# Altium PCB Intelliclone.PcbDoc (part 2 of 3)
Units mil, origin at the board's own origin, x right, y up, seen from the top; angles counter-clockwise.
Board outline 10500 x 3750 mil, 2 copper layers (Top Layer, Bottom Layer), stack 60.8 mil thick; 177 components, 173 nets, 727 pads, 193 vias.
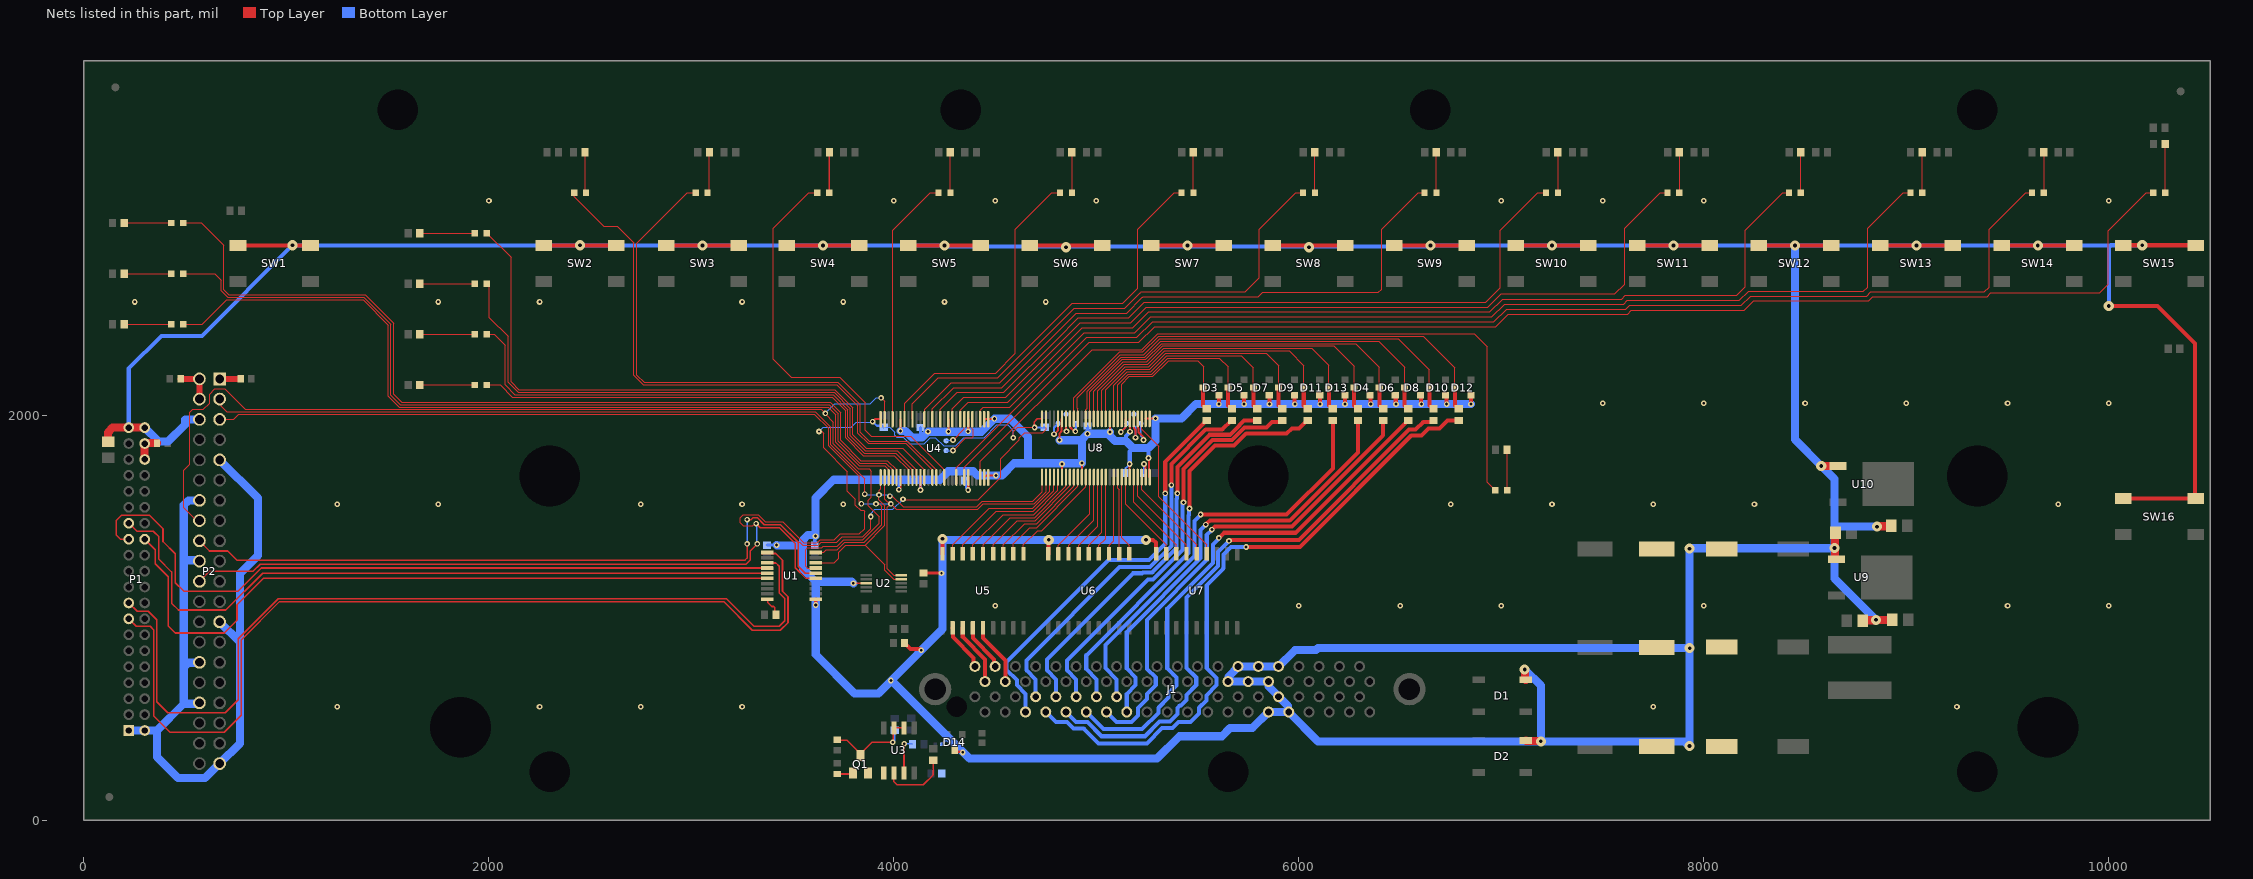
[diagram p2: the nets of this part, all layers, seen from the top]

## Via types
v1: diameter 28, hole 15, Top Layer to Bottom Layer, 98 vias
v2: diameter 28, hole 12, Top Layer to Bottom Layer, tented both sides, 44 vias
v3: diameter 50, hole 18, Top Layer to Bottom Layer, 36 vias
v4: diameter 28, hole 12, Top Layer to Bottom Layer, 15 vias

## Nets (pads, with @x,y where several pads share a name; then routed paths per layer and width w, separated by ;. In a path a pad name is that pad's centre, name@x,y a point inside that pad or via, vN(x,y) a via of type N, cw(c..) or ccw(c..) an arc to the next point about the centre after c; other vN are vias at no path point) (continued)
GND: C1.1 C2.1 C3.1 C4.1 C5.1 C6.1 C7.1 C8.2 C9.2 C10.2 C11.1 C12.1 C13.2 C14.2 C15.2 C16.1 C17.1 C18.1 C19.1 C20.1 D1.2 D2.2 D3.1 D4.1 D5.1 D6.1 D7.1 D8.1 D9.1 D10.1 D11.1 D12.1 D13.1 D14.3 J1.51 J1.53 J1.55 J1.57 J1.59 J1.60 J1.61 J1.62 J1.64 P1.1 P1.2 P1.39 P1.40 P2.6 P2.9 P2.14 P2.20 P2.25 P2.30 P2.34 P2.39 Q1.2 R44.1 SW1.3 SW1.4 SW2.3 SW2.4 SW3.3 SW3.4 SW4.3 SW4.4 SW5.3 SW5.4 SW6.3 SW6.4 SW7.3 SW7.4 SW8.3 SW8.4 SW9.3 SW9.4 SW10.3 SW10.4 SW11.3 SW11.4 SW12.3 SW12.4 SW13.3 SW13.4 SW14.3 SW14.4 SW15.3 SW15.4 SW16.3 SW16.4 U1.11 U2.3 U3.5 U4.6 U4.11 U4.23 U4.27 U4.28 U4.29 U4.30 U4.34 U4.39 U4.51 U5.9 U6.9 U7.9 U8.6 U8.11 U8.23 U8.28 U8.29 U8.30 U8.34 U8.39 U8.51 U9.1 U10.1 | length 45591.4
  Top Layer w8: v4(3800,1170) U2.3@3863.39,1170 ; v1(4024.48,1632.71) 4032.84,1641.08 4032.84,1693.14 U4.6@4032.68,1693.3
  Top Layer w10: v1(4032,1923) 4032.34,1923.34 4032.34,1980.36 U4.51@4032.68,1980.7 ; v1(4131,1631) 4131.05,1631.05 4131.05,1693.25 U4.11@4131.1,1693.3 ; U4.39@4268.9,1980.7 4268.95,1980.65 4268.95,1920.05 v1(4269,1920) ; v1(4367,1921) 4367.16,1921.16 U4.34@4367.16,1980.54 ; v1@4367.16,1631.16 U4.23@4367.16,1693.14 ; U4.27@4446.06,1693.3 4446.06,1692.84 4446.9,1692 4457.9,1703 v1(4503.65,1703) ; U4.30@4446.06,1980.7 4446.06,1982.16 4446.9,1983 v1(4496,1983) ; v1(4818,1877) 4818,1911.37 4826.66,1920.03 4826.66,1939.4 4827.22,1939.97 4827.22,1979.62 U8.51@4830,1982.4 ; U8.6@4830,1695 v1(4830,1760) ; U8.11@4928.43,1695 v1(4928.43,1763.43) v1@4930,1765 ; U8.39@5066.22,1982.4 5066.57,1982.06 5066.57,1918.43 v1(5067,1918) ; U8.23@5164.65,1695 v1(5164.65,1759.65) v1@5165,1760 ; U8.34@5164.65,1982.4 5164.99,1982.06 5164.99,1920.01 v1(5166,1919) ; U8.30@5243.39,1982.4 5243.39,1984.16 5244.22,1985 v1(5292,1985) ; v1(5257,1789) 5260,1786 5260,1737.99 5260.29,1737.7 U8.28@5260.29,1695
  Top Layer w12: D14.3@4300,345.63 4307.57,338.06 4336.94,338.06 v4(4340,335)
  Top Layer w15: v1(3614,1063) U1.11@3614,1092.23 ; C4.1@4136.82,1221.57 4233.43,1221.57 v4(4235,1220) ; v1(4367,1631) v1@4367.16,1631.16
  Top Layer w20: SW1.4@760.87,2838.58 SW1.3@1119.13,2838.58 ; SW2.4@2270.87,2838.58 SW2.3@2629.13,2838.58 ; SW3.4@2875.87,2838.58 v3(3055,2838.58) SW3.3@3234.13,2838.58 ; SW4.4@3470.87,2838.58 v3(3650,2838.58) SW4.3@3829.13,2838.58 ; C20.1@4051.57,875 4051.57,873.03 4059.29,865.31 4061.26,865.31 4081.57,845 4130,845 v4(4135,840) ; SW5.4@4070.87,2838.58 v3(4250,2838.58) SW5.3@4429.13,2838.58 ; U5.9@4240,1316.14 v3(4240,1390) ; SW6.4@4670.87,2838.58 SW6.3@5029.13,2838.58 ; U6.9@4762.5,1316.14 4763.33,1316.97 4763.33,1383.33 v3(4765,1385) ; v3(5245,1385) 5280,1385 5294.17,1370.83 5294.17,1316.97 U7.9@5295,1316.14 ; SW7.4@5270.87,2838.58 v3(5450,2838.58) SW7.3@5629.13,2838.58 ; v1(5605,2055) D3.1@5605,2100 ; D5.1@5729.44,2100 5729.72,2099.72 5729.72,2055.28 v1(5730,2055) ; D7.1@5853.87,2100 5854.44,2099.44 5854.44,2055.56 v1(5855,2055) ; SW8.4@5870.87,2838.58 SW8.3@6229.13,2838.58 ; D9.1@5978.31,2100 5979.16,2099.16 5979.16,2055.84 v1(5980,2055) ; D11.1@6102.75,2100 6103.87,2098.87 6103.87,2056.13 v1(6105,2055) ; D13.1@6227.19,2100 6227.34,2099.84 6227.34,2055.16 v1(6227.5,2055) ; D4.1@6351.62,2100 6353.47,2098.15 6353.47,2056.53 v1(6355,2055) ; SW9.4@6470.87,2838.58 v3(6650,2838.58) SW9.3@6829.13,2838.58 ; D6.1@6476.06,2100 6478.47,2097.59 6478.47,2056.53 v1(6480,2055) ; D8.1@6600.5,2100 6603.47,2097.03 6603.47,2056.53 v1(6605,2055) ; D10.1@6724.93,2100 6728.47,2096.46 6728.47,2056.53 v1(6730,2055) ; D12.1@6849.37,2100 6849.68,2099.69 6849.68,2055.31 v1(6850,2055) ; SW10.4@7070.87,2838.58 v3(7250,2838.58) SW10.3@7429.13,2838.58 ; SW11.4@7670.87,2838.58 v3(7850,2838.58) SW11.3@8029.13,2838.58 ; SW12.4@8270.87,2838.58 v3(8450,2838.58) SW12.3@8629.13,2838.58 ; SW13.4@8870.87,2838.58 v3(9050,2838.58) SW13.3@9229.13,2838.58 ; SW14.4@9470.87,2838.58 v3(9650,2838.58) SW14.3@9829.13,2838.58 ; v3(10000,2540) 10240,2540 10425,2355 10425,1588.58 SW16.4@10070.87,1588.58 SW16.3@10429.13,1588.58 ; SW15.4@10070.87,2838.58 10072.28,2840 v3(10165,2840) 10427.72,2840 SW15.3@10429.13,2838.58
  Top Layer w40: C3.1@120,1869.37 118,1871.37 118,1916.01 141.43,1939.44 P1.39@221,1939.44 P1.40@299.74,1939.44 ; v3(7115,745) 7116.91,743.09 7116.91,697.01 7120.18,693.74 D1.2@7121.14,693.74 ; D2.2@7121.14,393.74 7123.01,391.87 7193.13,391.87 v3(7195,390) ; C9.2@7767.56,852.5 C9.2@7768.81,853.75 ; C14.2@8086.58,853.75 C14.2@8087.83,855 ; v3(8580,1750) 8580.12,1749.88 8662.56,1749.88 U10.1@8662.68,1749.76 ; C18.1@8650.63,1420 8646.91,1416.28 8646.91,1346.91 v3(8645,1345) 8646.91,1343.09 8646.91,1290.83 8648.21,1289.53 U9.1@8655,1289.53 ; C16.1@8784.37,985 8787.46,988.09 8848.09,988.09 v3(8850,990) C17.1@8930.63,990 ; v3(8855,1450) 8856.91,1451.91 8922.54,1451.91 C19.1@8925.63,1455
  Bottom Layer w8: 4024.48,1679.48 4027,1682
  Bottom Layer w10: C6.1@4955,1946.85 C6.1@4956,1945.85 ; C7.1@5141.57,1715 5144.14,1717.56 5144.14,1739.14 v1(5164.65,1759.65)
  Bottom Layer w12: R44.1@4235.75,375 4267.75,407 4272,407
  Bottom Layer w15: C1.1@3373,1358.57 3373.21,1358.79 3420.79,1358.79 v1(3421,1359) ; C2.1@3609,1358.57 3609,1400 v1(3612.5,1403.5) ; v1(4024.48,1632.71) 4024.48,1679.48 ; 4127.5,1682 4131,1678.5 v1(4131,1631) ; C11.1@4131,1939.85 4131.37,1939.48 4131.37,1899.63 4140,1891 ; v4(4235,1220) 4235,1169.5 4240,1164.5 ; 4347,1723.69 4349.57,1721.11 C12.1@4349.57,1678 4359.79,1667.78 4359.79,1641.73 4367,1634.52 v1(4367,1631) ; v1(4956,1909) 4955.5,1909.5 4955.5,1945.35 C6.1@4956,1945.85
  Bottom Layer w20: P1.39@221,1939.44 221,2231 382,2392 582,2392 v3(1030,2840) 1030.71,2839.29 v3@3054.29,2839.29 ; v3(3055,2838.58) v3@3054.29,2839.29 ; 5146,1873 5146,1896.84 5166,1916.84 v1(5166,1919) ; v1(5164.65,1759.65) 5164.65,1821.65 5181,1838 ; 5256.57,1838 5256.57,1789.43 v1(5257,1789) ; v3(10000,2540) 10000,2828.58 10010,2838.58 ; v3(10165,2840) 10011.42,2840 10010,2838.58 ; v3@3054.29,2839.29 3649.29,2839.29 3650,2840 3651.42,2838.58 4248.58,2838.58 4250,2840 4255.71,2834.29 4844.29,2834.29 4850,2840 4855.71,2834.29 5444.29,2834.29 5450,2840 5455.71,2834.29 6044.29,2834.29 6050,2840 6055.71,2834.29 6644.29,2834.29 6650,2840 6651.42,2838.58 7248.58,2838.58 7250,2840 7251.42,2838.58 7848.58,2838.58 7850,2840 7851.42,2838.58 8448.58,2838.58 8450,2840 8451.42,2838.58 9048.58,2838.58 9050,2840 9051.42,2838.58 9648.58,2838.58 9650,2840 9651.42,2838.58 10010,2838.58
  Bottom Layer w40: P1.1@221,443.38 P1.2@299.74,443.38 360.38,443.38 ; P1.40@299.74,1939.44 369.18,1870 415,1870 500,1955 500,1980 P2.6@570,1980 ; P2.34@570,580 565.6,575.6 492.6,575.6 ; P2.30@570,780 568,778 516.03,778 492.6,754.57 ; P2.20@570,1280 566,1284 492.6,1284 ; P2.14@570,1580 516.03,1580 492.6,1556.57 492.6,1284 ; P2.25@670,980 770,880 ; P2.9@670,1780 859,1591 859,1308 770,1219 770,880 ; v1(3421,1359) 3423,1357 3551,1357 ; v4(3800,1170) 3792,1178 3614,1178 ; v1@3988,691 4272,407 4374,305 5300,305 5410,415 5620,415 5660,455 5770,455 J1.60@5850,535 J1.64@5950,535 ; v1@3989.5,693.5 4240,944 4240,1164.5 v3@4240,1385 ; v1@3990,693 3924,627 3805,627 3614,818 v1(3614,1063) 3614,1178 ; v1(4032,1923) 4057,1923 4089,1891 4140,1891 v1(4168,1919) 4432,1919 v1(4496,1983) 4574,1983 4663,1894 4663,1763.43 ; v3(4240,1390) v3@4240,1385 ; v1(4818,1877) 4924,1877 4928.43,1881.43 ; v1(5067,1918) v1@5064,1915 ; v3(5245,1385) v3(4765,1385) v3@4240,1385 ; J1.51@5650,685 J1.55@5750,685 J1.59@5850,685 5850,662 5946.81,565.19 5946.81,542.07 5950,538.89 J1.64@5950,535 ; J1.51@5652.75,708.86 5700,756.11 J1.53@5700,760 J1.57@5800,760 J1.61@5900,760 5980,840 6085,840 6095,850 v3(7930,850) ; v1(6850,2055) v1(6730,2055) v1(6605,2055) v1(6480,2055) v1(6355,2055) v1(6227.5,2055) v1(6105,2055) v1(5980,2055) v1(5855,2055) v1(5730,2055) v1(5605,2055) 5491,2055 5421,1985 v1(5292,1985) 5292,1873.43 5256.57,1838 5181,1838 5146,1873 5091,1873 5064,1900 v1@5064,1915 ; v3(7115,745) 7195,665 v3(7195,390) ; v3(8450,2838.58) 8450,1880 v3(8580,1750) 8645,1685 8645,1455 ; v3(8850,990) 8645,1195 v3(8645,1345) ; v3(8855,1450) 8650,1450 8645,1455 ; 360.38,443.38 360.38,312.62 465,208 598,208 P2.39@670,280 770,380 770,880 ; 360.38,443.38 492.6,575.6 ; 492.6,575.6 492.6,754.57 ; 492.6,754.57 492.6,1284 ; 3551,1357 3551,1385 3574.43,1408.43 3607.57,1408.43 v1(3612.5,1403.5) 3612.5,1592.5 3703,1683 3704,1682 4027,1682 4127.5,1682 4228,1682 4252.71,1706.71 4252.71,1708.45 4267.94,1723.69 4347,1723.69 4391.69,1723.69 4392,1724 4413,1703 4533,1703 4593.43,1763.43 4663,1763.43 ; 3551,1357 3551,1241 3614,1178 ; 4663,1763.43 v1(4928.43,1763.43) 4928.43,1881.43 ; 4928.43,1881.43 v1(4956,1909) 5058,1909 v1@5064,1915 ; J1.64@5950,535 6095,390 v3(7195,390) ; v3(7195,390) 7903.34,390 7926.66,366.67 v3(7929.37,366.67) 7929.68,366.99 7929.68,849.68 v3(7930,850) ; v3(7930,850) 7929.68,850.32 7929.68,1341.36 v3(7929.37,1341.67) 7931.03,1343.34 8643.34,1343.34 v3(8645,1345) ; v3(8645,1345) 8645,1455
  other v1: 3985,690
  other v2: 1250,560 2250,560 2750,560 3250,560 7750,560 9250,560 4500,1060 6000,1060 6500,1060 7000,1060 8000,1060 9500,1060 10000,1060 1250,1560 1750,1560 2750,1560 3250,1560 3750,1560 6750,1560 7250,1560 7750,1560 8250,1560 9750,1560 7500,2060 8000,2060 8500,2060 9000,2060 9500,2060 10000,2060 250,2560 1750,2560 2250,2560 3250,2560 3750,2560 4250,2560 4750,2560 2000,3060 4000,3060 4500,3060 5000,3060 7000,3060 7500,3060 8000,3060 10000,3060
  other v3: 4850,2830 6050,2830 2450,2840
GPIO_IN1: D3.3 R11.1 U8.36 | length 856.4
  Top Layer w6: U8.36@5125.28,1982.4 5125.28,2154.36 5162.91,2192 5278.53,2192 5357.06,2270.53 5499.47,2270.53 5530,2240 5530,2141.14 D3.3@5526.26,2137.4
  Top Layer w20: D3.3@5526.26,2137.4 5526.26,2047.87 5542.05,2032.09 R11.1@5545,2032.09
GPIO_IN2: D5.3 R16.1 U8.37 | length 1003.2
  Top Layer w6: U8.37@5105.59,1982.4 5105.59,2151.65 5157.94,2204 5273.56,2204 5352.09,2282.53 5607.47,2282.53 5650,2240 5650,2138.1 D5.3@5650.7,2137.4
  Top Layer w20: D5.3@5650.7,2137.4 5650.7,2047.94 5666.55,2032.09 R16.1@5669.5,2032.09
GPIO_IN3: D7.3 R20.1 U8.38 | length 1153.1
  Top Layer w6: U8.38@5085.91,1982.4 5085.91,2148.94 5152.97,2216 5268.59,2216 5347.12,2294.53 5715.47,2294.53 5775.13,2234.87 D7.3@5775.13,2137.4
  Top Layer w20: D7.3@5775.13,2137.4 5775.13,2048 5791.05,2032.09 R20.1@5794,2032.09
GPIO_IN4: D9.3 R25.1 U8.40 | length 1320.3
  Top Layer w6: U8.40@5046.54,1982.4 5046.54,2126.54 5148,2228 5263.62,2228 5342.15,2306.53 5838.47,2306.53 5900,2245 5900,2137.83 D9.3@5899.57,2137.4
  Top Layer w20: D9.3@5899.57,2137.4 5899.57,2048.06 5915.55,2032.09 R25.1@5918.5,2032.09
GPIO_IN5: D11.3 R29.1 U8.41 | length 1473.6
  Top Layer w6: U8.41@5026.85,1982.4 5026.85,2123.82 5143.03,2240 5258.65,2240 5337.18,2318.53 5951.47,2318.53 6025,2245 6025,2138.39 D11.3@6024.01,2137.4
  Top Layer w20: D11.3@6024.01,2137.4 6024.01,2048.13 6040.05,2032.09 R29.1@6043,2032.09
GPIO_IN6: D13.3 R33.1 U8.42 | length 1625.6
  Top Layer w6: U8.42@5007.17,1982.4 5007.17,2121.11 5138.06,2252 5253.68,2252 5332.2,2330.53 6064.47,2330.53 6148.44,2246.56 D13.3@6148.44,2137.4
  Top Layer w20: D13.3@6148.44,2137.4 6148.44,2048.19 6164.55,2032.09 R33.1@6167.5,2032.09
GPIO_IN7: D4.3 R12.1 U8.43 | length 1775.5
  Top Layer w6: U8.43@4987.48,1982.4 4987.48,2118.39 5133.09,2264 5248.7,2264 5327.23,2342.53 6172.47,2342.53 6272.88,2242.12 D4.3@6272.88,2137.4
  Top Layer w20: D4.3@6272.88,2137.4 6272.88,2048.25 6289.05,2032.09 R12.1@6292,2032.09
GPIO_IN8: D6.3 R17.1 U8.44 | length 1925.4
  Top Layer w6: U8.44@4967.8,1982.4 4967.8,2115.68 5128.12,2276 5243.73,2276 5322.26,2354.53 6280.47,2354.53 6397.32,2237.68 D6.3@6397.32,2137.4
  Top Layer w20: D6.3@6397.32,2137.4 6397.32,2048.32 6413.55,2032.09 R17.1@6416.5,2032.09
GPIO_IN9: D8.3 R21.1 U8.45 | length 2078.2
  Top Layer w6: U8.45@4948.11,1982.4 4948.11,2028.11 4955,2035 4955,2119.85 5123.15,2288 5238.76,2288 5317.29,2366.53 6393.47,2366.53 6521.76,2238.24 D8.3@6521.76,2137.4
  Top Layer w20: D8.3@6521.76,2137.4 6521.76,2048.38 6538.05,2032.09 R21.1@6541,2032.09
GPIO_IN10: D10.3 R26.1 U8.47 | length 2233.3
  Top Layer w6: U8.47@4908.74,1982.4 4908.74,2032.58 4905.43,2035.9 4905.43,2087.25 5118.18,2300 5233.79,2300 5312.32,2378.53 6490,2378.53 6644.22,2224.31 6644.22,2137.4 D10.3@6646.19,2137.4
  Top Layer w20: D10.3@6646.19,2137.4 6646.19,2047.94 6662.05,2032.09 R26.1@6665,2032.09
GPIO_IN11: D12.3 R30.1 U8.48 | length 2389.1
  Top Layer w6: U8.48@4889.06,1982.4 4889.06,2087.85 5114.21,2313 5229.82,2313 5307.35,2390.53 6614.47,2390.53 6770.63,2234.37 D12.3@6770.63,2137.4
  Top Layer w20: D12.3@6770.63,2137.4 6770.63,2048.5 6787.05,2032.09 R30.1@6790,2032.09
GPIO_IRQ: P2.16 U1.17 U4.55 | length 5520.1
  Top Layer w6: P2.16@568,1482 555,1482 493,1544 493,1729 522,1758 522,2015 537,2030 590,2030 620,2060 620,2105 645,2130 695,2130 796,2029 3642,2029 v1(3661,2010) 3661,2007 3701,1967 3701,1859 3824,1736 3878,1736 3889,1725 3889,1595 3874,1580 3874,1553 3928,1499 3928,1466 3847,1385 3751.03,1385 3720.03,1354 3650.51,1354 3642.51,1346 3573,1346 3564,1337 3564,1254 3572.23,1245.77 U1.17@3614,1245.77 ; v1(3937,2086) 3953.94,2069.06 U4.55@3953.94,1980.7
  Bottom Layer w6: v1(3661,2010) 3707,2056 3882.01,2056 3912.01,2086 v1(3937,2086) ; v1@3943,2087 v1@3944,2086
GPIO_IRQ2: P2.18 U1.16 U8.55 | length 5089.1
  Top Layer w6: 3527,1372.8 3535.23,1372.8 3550.03,1358 3626.51,1358 3641.31,1372.8 3717.8,1372.8 3745,1400 3845,1400 3885,1440 v4(3885,1500) ; v4(4045,1585) 4046.59,1583.41 4416.59,1583.41 4526.65,1693.47 4526.65,1786.65 4620,1880 4620,1890 4645,1915 4735,1915 4751.26,1931.26 U8.55@4751.26,1982.4
  Top Layer w8: P2.18@570,1380 620,1330 710,1330 755,1285 3265,1285 3275,1295 v1(3275,1365) ; v1(3275,1485) 3295,1485 3305,1495 3325,1495 3360,1460 3439.8,1460 3527,1372.8 3527,1255 3561.82,1220.18 U1.16@3614,1220.18
  Bottom Layer w6: v4(3885,1500) 3885,1515 3905,1535 3995,1535 v4(4045,1585)
  Bottom Layer w8: v1(3275,1365) v1(3275,1485)
GPIO_IRQ2_1V8: P1.27 U1.5 | length 3560.8
  Top Layer w8: P1.27@221,1467 223,1467 262,1428 342,1428 370,1400 370,1289 432.62,1226.38 432.62,1072.38 466.5,1038.5 700.5,1038.5 882.18,1220.18 U1.5@3373.84,1220.18
GPIO_IRQ_1V8: P1.25 U1.4 | length 3687.9
  Top Layer w8: P1.25@221,1388.26 180.74,1388.26 160,1409 160,1481 185,1506 324,1506 390,1440 390,1377 451.25,1315.75 451.25,1173.75 493,1132 762,1132 875.77,1245.77 U1.4@3373.84,1245.77
GPIO_OUT1: U5.8 U8.3 | length 704.6
  Top Layer w6: U5.8@4290,1316.14 4290,1360 4470,1540 4686.06,1540 4770,1623.94 4770,1694.06 U8.3@4770.94,1695
GPIO_OUT2: U5.7 U8.4 | length 672.7
  Top Layer w6: U5.7@4340,1316.14 4340,1360 4505,1525 4688.03,1525 4790,1626.97 4790,1694.37 U8.4@4790.63,1695
GPIO_OUT3: U5.6 U8.5 | length 640.8
  Top Layer w6: U5.6@4390,1316.14 4390,1360 4540,1510 4690,1510 4810,1630 4810,1694.69 U8.5@4810.31,1695
GPIO_OUT4: U5.5 U8.7 | length 618.8
  Top Layer w6: U5.5@4440,1316.14 4440,1360 4575,1495 4695,1495 4849.69,1649.69 U8.7@4849.69,1695
GPIO_OUT5: U5.4 U8.8 | length 586.9
  Top Layer w6: U5.4@4490,1316.14 4490,1360 4610,1480 4696.97,1480 4869.37,1652.4 U8.8@4869.37,1695
GPIO_OUT6: U5.3 U8.9 | length 558.6
  Top Layer w6: U5.3@4540,1316.14 4540,1360 4645,1465 4705,1465 4889.06,1649.06 U8.9@4889.06,1695
GPIO_OUT7: U5.2 U8.10 | length 531.4
  Top Layer w6: U5.2@4590,1316.14 4590,1365 4670,1445 4705,1445 4908.74,1648.74 U8.10@4908.74,1695
GPIO_OUT8: U5.1 U8.12 | length 518.2
  Top Layer w6: U5.1@4640,1316.14 4640,1360 4710,1430 4730,1430 4948.11,1648.11 U8.12@4948.11,1695
GPIO_OUT9: U6.8 U8.13 | length 443.2
  Top Layer w6: U6.8@4812.5,1316.14 4812.5,1357.5 4967.8,1512.8 U8.13@4967.8,1695
GPIO_OUT10: U6.7 U8.14 | length 430.6
  Top Layer w6: U6.7@4862.5,1316.14 4862.5,1357.5 4987.48,1482.48 U8.14@4987.48,1695
GPIO_OUT11: U6.6 U8.15 | length 418.1
  Top Layer w6: U6.6@4912.5,1316.14 4912.5,1357.5 5007.17,1452.17 U8.15@5007.17,1695
GPIO_OUT12: U6.5 U8.16 | length 405.5
  Top Layer w6: U6.5@4962.5,1316.14 4962.5,1357.5 5026.85,1421.85 U8.16@5026.85,1695
GPIO_OUT13: U6.4 U8.17 | length 393
  Top Layer w6: U6.4@5012.5,1316.14 5012.5,1357.5 5046.54,1391.54 U8.17@5046.54,1695
GPIO_OUT14: U6.3 U8.19 | length 388.6
  Top Layer w6: U6.3@5062.5,1316.14 5062.5,1357.5 5085.91,1380.91 U8.19@5085.91,1695
GPIO_OUT15: U6.2 U8.20 | length 382.2
  Top Layer w6: U8.20@5105.59,1695 5105,1694.41 5105,1640 5112.5,1632.5 U6.2@5112.5,1316.14
GPIO_OUT16: U6.1 U8.21 | length 394.5
  Top Layer w6: U8.21@5125.28,1695 5125,1694.72 5125,1395 5162.5,1357.5 U6.1@5162.5,1316.14
GPIO_OUT17: U7.8 U8.22 | length 461.7
  Top Layer w6: U8.22@5144.96,1695 5144.96,1560.04 5345,1360 U7.8@5345,1316.14
GPIO_OUT18: U7.7 U8.24 | length 466.1
  Top Layer w6: U8.24@5184.33,1695 5184.33,1570.67 5395,1360 U7.7@5395,1316.14
GPIO_OUT19: U7.6 U8.25 | length 478.7
  Top Layer w6: U8.25@5204.02,1695 5204.02,1600.98 5445,1360 U7.6@5445,1316.14
GPIO_OUT20: U7.5 U8.26 | length 491.2
  Top Layer w6: U8.26@5223.7,1695 5223.7,1631.3 5495,1360 U7.5@5495,1316.14
GPIO_OUT21: U7.4 U8.31 | length 799.3
  Top Layer w6: U8.31@5223.7,1982.4 5223.7,1931.3 5308,1847 5308,1597 5545,1360 U7.4@5545,1316.14
GPIO_RESET: P2.22 R7.2 R9.2 U1.15 U4.56 U8.56 | length 6318.2
  Top Layer w6: v1(3320,1465) 3314.05,1465 3304.05,1455 3255,1455 3240,1470 3240,1495 3255,1510 3330,1510 3365,1475 3450,1475 3555,1370 3621.54,1370 3636.34,1384.8 3705,1384.8 3735.2,1415 3830,1415 3855,1440 3855,1525 3850,1530 3835,1530 3810,1555 3810,1585 3770,1625 3770,1722.12 3653,1839.12 3653,1912 3640,1925 3635,1920 v4(3630,1920) ; v4(4590,1890) 4590,1919.12 4610.88,1940 v1(4695,1940)
  Top Layer w8: P2.22@570,1180 620,1230 835,1230 870,1265 3270,1265 3290,1285 3290,1330 v1(3325,1365) ; v1(3320,1465) 3340,1445 3435,1445 3513,1367 3513,1247.38 3565.79,1194.59 U1.15@3614,1194.59 ; v1(4695,1940) 4693,1942 4693,1967 4708.4,1982.4 U8.56@4731.57,1982.4
  Top Layer w10: v1(3895,1969) 3906.7,1980.7 U4.56@3934.25,1980.7
  Bottom Layer w6: v4(3630,1920) 3650,1940 3790,1940 3815,1965 3891,1965 v1(3895,1969) ; R7.2@3949,1941 3979,1941 4003,1917 4003,1902 4013,1892 4046.99,1892 4078.99,1860 4150.01,1860 4180.01,1890 4205,1890 4245,1850 4305,1850 4345,1890 4445,1890 4509,1954 4561,1954 4590,1925 v4(4590,1890)
  Bottom Layer w8: v1(3320,1465) 3322.5,1462.5 3322.5,1367.5 v1(3325,1365) ; v1(4695,1940) 4743.54,1940 R9.2@4745,1941.46
  Bottom Layer w10: v1(3895,1969) 3915.51,1948.49 3941.51,1948.49 R7.2@3949,1941
GPIO_RESET_1V8: P1.26 U1.6 | length 3605.5
  Top Layer w8: P1.26@299.74,1388.26 351.5,1336.5 351.5,1267.5 416,1203 416,959 450,925 692,925 755.45,988.45 755.45,1064.45 885.59,1194.59 U1.6@3373.84,1194.59
I2C_SCL: P2.5 U1.20 U2.10 U4.2 U8.2 | length 5577.9
  Top Layer w6: P2.5@670,1980 740,1980 765,2005 3607.03,2005 3677,1935.03 3677,1849.06 3828,1698.06 3828,1574 3838.74,1563.26 v1(3839.26,1563.26) ; U1.20@3614,1322.54 3652.54,1322.54 3666.5,1336.5 3719.5,1336.5 3756,1373 3854,1373 3941,1460 3941,1550.03 3928.51,1562.51 v1(3911.49,1562.51) v1@3910,1564 ; U4.2@3953.94,1693.3 3953.94,1585.06 3967,1572 v1@3986,1572 ; v1(3985,1563) 3967,1545 3967,1243 4000,1210 U2.10@4030,1210 ; v1@3986,1563 3986,1562 4012,1536 4414.94,1536 4441.94,1563 4692.09,1563 4751.26,1622.17 U8.2@4751.26,1695
  Bottom Layer w6: v1(3839.26,1563.26) 3839.64,1562.89 3911.37,1562.89 3911.49,1563 3911.73,1562.76 3984.76,1562.76 v1(3985,1563)
I2C_SCL_1V8: P1.15 U1.1 | length 4755.3
  Top Layer w8: P1.15@221,994.56 257.57,957.98 327.02,957.98 345,940 345,515 425,435 692,435 776,519 776,890.2 965.8,1080 1142,1080 3159,1080 3301,938 3439,938 3477,976 3477,1104 3450,1131 3450,1284 3416.31,1317.68 3378.7,1317.68 U1.1@3373.84,1322.54 U1.1@3351.2,1322.54
  Top Layer w12: U1.1@3348.39,1319.94 3350.52,1317.81 U1.1@3373,1317.81
I2C_SDA: P2.3 U1.18 U2.9 U4.1 U8.1 | length 5457.8
  Top Layer w6: P2.3@670,2080 678,2072 678,2044 705,2017 3612,2017 3689,1940 3689,1854.03 3856,1687.03 v1(3856,1611) ; U1.18@3614,1271.36 3706.36,1271.36 3728,1293 3728,1323.94 3763.06,1359 3858,1359 ; U4.1@3934.25,1693.3 3934.25,1636.78 3926.48,1629 3926.48,1607.48 v1(3926,1607) 3926,1582 3955,1553 3955,1456 3858,1359 ; v1(3980,1601) 3993,1601 4046,1548 4409.97,1548 4436.97,1575 4685,1575 4731.57,1621.57 U8.1@4731.57,1695 ; U2.9@4034.99,1190.01 4030.01,1190.01 4000,1190 3955,1235 3955,1262 3858,1359
  Bottom Layer w6: v1(3856,1611) 3860,1607 v1(3926,1607) v1@3992,1607
I2C_SDA_1V8: P1.17 U1.3 | length 4525.9
  Top Layer w8: P1.17@221,1073.3 262.3,1032 318,1032 360,990 360,585 414,531 698,531 762,595 762,896 960,1094 1141,1094 3173,1094 3309,958 3433,958 3461,986 3461,1095 3434,1122 3434,1254 3417.34,1270.66 3374.54,1270.66 U1.3@3373.84,1271.36
IN1: J1.12 R11.2 | length 2006.8
  Top Layer w20: v1(5340,1615) 5340,1770 5534.33,1964.33 5534.33,1967.28 5542.05,1975 R11.2@5545,1975
  Bottom Layer w20: J1.12@4650,535 4650,623.93 4606.81,667.11 4606.81,692.11 4556.81,742.11 4556.81,781.81 5060,1285 5260,1285 5340,1365 v1(5340,1615)
IN2: J1.14 R16.2 | length 1941.2
  Top Layer w20: v1(5370,1655) 5370,1760 5540,1930 5621.55,1930 5666.55,1975 R16.2@5669.5,1975
  Bottom Layer w20: J1.14@4700,610 4700,696.07 4655,741.07 4655,790 5115,1250 5265,1250 5370,1355 v1(5370,1655)
IN3: J1.18 R20.2 | length 1964.1
  Top Layer w20: v1(5400,1615) 5400,1745 5559,1904 5659.51,1904 5706.17,1950.66 5706.17,1951.17 5730,1975 R20.2@5794,1975
  Bottom Layer w20: J1.18@4800,610 4800,696.07 4755,741.07 4755,795 5180,1220 5225,1220 5229,1224 5275.77,1224 5396,1344.23 5396,1586 5398.47,1588.47 5398.47,1613.47 v1(5400,1615)
IN4: J1.22 R25.2 | length 1977.3
  Top Layer w20: v1(5430,1570) 5430,1735 5573,1878 5670.28,1878 5732.28,1940 5840.27,1940 5867.83,1967.56 5911.06,1967.56 R25.2@5918.5,1975
  Bottom Layer w20: J1.22@4900,610 4900,696.07 4855,741.07 4855,790 5255,1190 5280,1190 5425,1335 v1@5425,1565
IN5: J1.26 R29.2 | length 2033.5
  Top Layer w20: v1(5460,1540) 5460,1725 5585,1850 5680,1850 5740,1910 5940,1910 5965,1935 6000.05,1935 6040.05,1975 R29.2@6043,1975
  Bottom Layer w20: J1.26@5000,610 5000,696.07 4950,746.07 4950,815 5455,1320 5455,1505 5458.47,1508.47 5458.47,1538.47 v1(5460,1540)
IN6: J1.30 R33.2 | length 2101.7
  Top Layer w20: v1(5515,1510) 5940,1510 6167.5,1737.5 R33.2@6167.5,1975
  Bottom Layer w20: J1.30@5100,610 5100,696.07 5045,751.07 5045,865 5485,1305 5485,1477.84 5515,1507.84 v1(5515,1510)
IN7: J1.32 R12.2 | length 2173.1
  Top Layer w20: v1@5545,1465 5560,1480 5955,1480 6292,1817 R12.2@6292,1975
  Bottom Layer w20: J1.32@5150,535 5150,623.93 5193.19,667.11 5193.19,705.74 5150,748.93 5150,930 5515,1295 5515,1432.84 5540,1457.84 v1(5540,1460)
IN8: J1.28 R17.2 | length 2407.3
  Top Layer w20: v1(5570,1435) 5585,1450 5965,1450 6416.5,1901.5 R17.2@6416.5,1975
  Bottom Layer w20: J1.28@5050,535 5100,485 5173.28,485 5205,516.72 5205,553.93 5250,598.93 5250,623.93 5293.19,667.11 5293.19,704.46 5250,747.65 5250,990 5545,1285 5545,1407.84 5570,1432.84 v1(5570,1435)
IN9: J1.24 R21.2 | length 2627.4
  Top Layer w20: v1(5605,1395) 5630,1420 5983.05,1420 6538.05,1975 R21.2@6541,1975
  Bottom Layer w20: J1.24@4950,535 5035,450 5226.07,450 5306.81,530.74 5306.81,555.74 5356.81,605.74 5356.81,627.89 5395,666.07 5395,705 5383.19,716.81 5382.11,716.81 5350,748.93 5350,1045 5575,1270 5575,1362.84 5605,1392.84 v1(5605,1395)
IN10: J1.20 R26.2 | length 2906.5
  Top Layer w20: v1(5655,1380) 5660,1385 6000,1385 6545,1930 6577.05,1930 6614.33,1967.28 6657.28,1967.28 R26.2@6665,1975
  Bottom Layer w20: J1.20@4850,535 4900,485 4955,485 5025,415 5240,415 5311.96,486.96 5363.04,486.96 5400,523.93 5400,555.1 5411.72,566.81 5417.89,566.81 5445.46,594.39 5445.46,619.39 5493.19,667.11 5493.19,704.46 5445,752.65 5445,1100 5601,1256 5601,1326 v1(5655,1380)
IN11: J1.16 R30.2 | length 3194.7
  Top Layer w20: v1(5740,1350) 6005,1350 6555,1900 6605,1900 6640,1935 6693.52,1935 6733.52,1975 R30.2@6790,1975
  Bottom Layer w20: J1.16@4750,535 4800,485 4855,485 4887.5,452.5 4937.5,452.5 5010,380 5250,380 5325,455 5375,455 5405,485 5465.54,485 5506.81,526.28 5506.81,555.74 5543.19,592.11 5543.19,617.11 5593.19,667.11 5593.19,702.89 5545,751.07 5545,1160 5625,1240 5625,1243.23 5627,1245.23 5627,1312 5665,1350 v1(5740,1350)
LED1_N: DS1.2 U4.5 | length 4479.5
  Top Layer w6: DS1.2@489.53,2950 580,2950 690,2840 690,2620 715,2595 1390,2595 1530,2455 1530,2105 1570,2065 3685.3,2065 3737,2013.3 3737,1876.03 3837.03,1776 3968.12,1776 ; 3968.12,1775 4012.99,1730.13 U4.5@4012.99,1693.3
LED2_N: DS2.2 U4.4 | length 4257.8
  Top Layer w6: DS2.2@489.53,2700 645,2700 678,2667 678,2615.03 710.03,2583 1382,2583 1515,2450 1515,2100 1562,2053 3680.32,2053 3725,2008.32 3725,1871.06 3832.06,1764 3960.43,1764 ; 3960.43,1763 3993.31,1730.13 U4.4@3993.31,1693.3
LED3_N: DS3.2 U4.3 | length 4203.5
  Top Layer w6: DS3.2@489.53,2450 585,2450 705,2570 1378.03,2570 1503,2445.03 1503,2095.03 1557.03,2041 3675.35,2041 3713,2003.35 3713,1866.09 3828.09,1751 3953.75,1751 ; 3953.75,1750 3973.62,1730.13 U4.3@3973.62,1693.3
LED4_N: DS4.2 U4.12 | length 3121.7
  Top Layer w6: DS4.2@1989.53,2900 2110,2779.53 2110,2164.97 2147.97,2127 3708.15,2127 3797,2038.15 3797,1903.15 3863.15,1837 4043.91,1837 4150.79,1730.13 U4.12@4150.79,1693.3
LED5_N: DS5.2 U4.10 | length 2842.3
  Top Layer w6: DS5.2@1989.53,2650 2002.28,2637.25 2002.28,2482.49 2095,2389.76 2095,2163 2144,2114 3704.18,2114 3785,2033.18 3785,1898.18 3858.18,1825 4016.54,1825 4111.42,1730.13 U4.10@4111.42,1693.3
LED6_N: DS6.2 U4.9 | length 2609.8
  Top Layer w6: DS6.2@1989.53,2400 2025,2400 2080,2345 2080,2150 2128,2102 3699.21,2102 3773,2028.21 3773,1893.21 3853.21,1813 4008.86,1813 4091.73,1730.13 U4.9@4091.73,1693.3
LED7_N: DS7.2 U4.8 | length 2372.3
  Top Layer w6: DS7.2@1989.53,2150 2055,2150 2115,2090 3694.24,2090 3761,2023.24 3761,1888.24 3849.24,1800 4002.17,1800 4072.05,1730.13 U4.8@4072.05,1693.3
LED8_N: DS8.2 U4.14 | length 2848.9
  Top Layer w6: DS8.2@2420.47,3100 2420.47,3078.53 2566.34,2932.66 2633.66,2932.66 2715,2851.31 2715,2196.97 2760.97,2151 3718.09,2151 3822,2047.09 3822,1912.09 3873.09,1861 4059.28,1861 4190.16,1730.13 U4.14@4190.16,1693.3
LED9_N: DS9.2 U4.15 | length 2835
  Top Layer w6: DS9.2@3020.47,3100 2980,3100 2730,2850 2730,2198.94 2765.94,2163 3723.06,2163 3834,2052.06 3834,1917.06 3878.06,1873 4066.97,1873 4209.84,1730.13 U4.15@4209.84,1693.3
LED10_N: DS10.2 U4.17 | length 2123.1
  Top Layer w6: DS10.2@3620.94,3100 3580,3100 3405,2925 3405,2277 3494,2188 3732,2188 3858,2062 3858,1927 3888,1897 4082.34,1897 4249.21,1730.13 U4.17@4249.21,1693.3
LED11_N: DS11.2 U4.53 | length 1237.1
  Top Layer w6: U4.53@3993.31,1980.7 3993.31,2913.31 4180,3100 DS11.2@4220.47,3100
LED12_N: DS12.2 U4.50 | length 1637.7
  Top Layer w6: U4.50@4052.36,1980.7 4052.36,2059.36 4202,2209 4503.3,2209 4600,2305.7 4600,2920 4780,3100 DS12.2@4820.47,3100
LED13_N: DS13.2 U4.48 | length 2008.6
  Top Layer w6: U4.48@4091.73,1980.7 4091.73,2057.7 4219.03,2185 4513.24,2185 4881.24,2553 5130.15,2553 5205,2627.85 5205,2920 5385,3100 DS13.2@5420.47,3100
LED14_N: DS14.2 U4.45 | length 2502.7
  Top Layer w6: U4.45@4150.79,1980.7 4151.9,1981.81 4151.9,2030.82 4282.08,2161 4523.32,2161 4753.17,2390.85 4753.17,2390.99 4891.18,2529 5140.09,2529 5217.62,2606.53 5219.17,2606.53 5222.64,2610 5735,2610 5805,2680 5805,2920 5985,3100 DS14.2@6020.47,3100
LED15_N: DS15.2 U4.43 | length 3097
  Top Layer w6: U4.43@4190.16,1980.7 4190.16,2032.16 4295,2137 4533.27,2137 4779.33,2383.07 4779.33,2383.21 4901.12,2505 5150.03,2505 5227.56,2582.53 5229.11,2582.53 5231.58,2585 5800,2585 5822,2607 6392,2607 6408.53,2623.53 6408.53,2918.53 6590,3100 DS15.2@6620.47,3100
LED16_N: DS16.2 U4.41 | length 3650.8
  Top Layer w6: U4.41@4229.53,1980.7 4230.04,1981.21 4230.04,2031.04 4312,2113 4543.21,2113 4803.33,2373.12 4803.33,2373.27 4911.06,2481 5159.97,2481 5237.5,2558.53 6923.53,2558.53 6995,2630 6995,2915 7180,3100 DS16.2@7220.47,3100
LED17_N: DS17.2 U4.38 | length 4187
  Top Layer w6: U4.38@4288.58,1980.7 4288.58,2013.42 4288,2014 4288.58,2014.58 4288.58,2031.58 4346,2089 4553.15,2089 4835.05,2370.9 4835.05,2371.05 4921,2457 5169.91,2457 5247.44,2534.53 6933.47,2534.53 6998.94,2600 7560,2600 7608.53,2648.53 7608.53,2923.53 7785,3100 DS17.2@7820.47,3100
LED18_N: DS18.2 U4.36 | length 4745.5
  Top Layer w6: U4.36@4327.95,1980.7 4327.95,2023.95 4368,2064 4562.09,2064 4859.05,2360.96 ; 4859.05,2360.99 4931.06,2433 5179.85,2433 5257.38,2510.53 6943.41,2510.53 7005.88,2573 7594,2573 7613,2592 8162,2592 8205,2635 8205,2915 8390,3100 DS18.2@8420.47,3100
LED19_N: DS19.2 U4.31 | length 5253.8
  Top Layer w6: U4.31@4426.38,1980.7 4427,1981.32 4427,2026 4441,2040 4572.03,2040 4941,2408.97 ; 4941,2409 5189.79,2409 5267.32,2486.53 6953.35,2486.53 7015.82,2549 7603.94,2549 7622.94,2568 8175.67,2568 8220.67,2613 8788,2613 8808.53,2633.53 8808.53,2923.53 8985,3100 DS19.2@9020.47,3100
LED20_N: DS20.2 U4.20 | length 6089.9
  Top Layer w6: U4.20@4308.27,1693.3 4308.27,1741.27 4952,2385 5200,2385 5277.53,2462.53 6963.29,2462.53 7025.76,2525 7615,2525 7633,2543 8184.61,2543 8230.61,2589 8804,2589 8825,2610 9385,2610 9408.53,2633.53 9408.53,2918.53 9590,3100 DS20.2@9620.47,3100
LED21_N: DS21.2 U4.22 | length 6640.8
  Top Layer w6: U4.22@4347.64,1693.3 4347.64,1744.64 4964,2361 5209.94,2361 5287.47,2438.53 6973.23,2438.53 7034.7,2500 7623.94,2500 7641.94,2518 8199,2518 8246,2565 8813.94,2565 8834.94,2586 9398.64,2586 9417.64,2605 9955,2605 9996.49,2646.49 9996.49,2911.49 10185,3100 DS21.2@10220.47,3100
LED22_N: DS22.2 U4.26 | length 3595
  Top Layer w6: U4.26@4426.38,1693.3 4426.38,1772.47 4978.91,2325 5224.85,2325 5302.38,2402.53 6865,2402.53 6930,2337.53 6930,1670.47 DS22.2@6970.47,1630
NetDS1_1: DS1.1 R10.2 | length 231.9
  Top Layer w6: R10.2@198.54,2950 DS1.1@430.47,2950
NetDS2_1: DS2.1 R13.2 | length 231.9
  Top Layer w6: R13.2@198.54,2700 DS2.1@430.47,2700
NetDS3_1: DS3.1 R14.2 | length 231.9
  Top Layer w6: R14.2@198.54,2450 DS3.1@430.47,2450
NetDS4_1: DS4.1 R15.2 | length 271.9
  Top Layer w6: R15.2@1658.54,2900 DS4.1@1930.47,2900
NetDS5_1: DS5.1 R18.2 | length 271.9
  Top Layer w6: R18.2@1658.54,2650 DS5.1@1930.47,2650
NetDS6_1: DS6.1 R19.2 | length 271.9
  Top Layer w6: R19.2@1658.54,2400 DS6.1@1930.47,2400
NetDS7_1: DS7.1 R22.2 | length 271.9
  Top Layer w6: R22.2@1658.54,2150 DS7.1@1930.47,2150
NetDS8_1: DS8.1 R23.2 | length 206.4
  Top Layer w6: DS8.1@2475,3100 R23.2@2475,3300 ; DS8.1@2475,3104.53 DS8.1@2479.53,3100
NetDS9_1: DS9.1 R24.2 | length 203.7
  Top Layer w6: DS9.1@3079.53,3100 3088.54,3109.02 R24.2@3088.54,3300
NetDS10_1: DS10.1 R27.2 | length 401.7
  Top Layer w6: DS10.1@3680,3100 3680,3297.91 R27.2@3682.09,3300 3682.09,3102.09 DS10.1@3680,3100
NetDS11_1: DS11.1 R28.2 | length 200.4
  Top Layer w6: R28.2@4278.54,3300 4278.54,3100.98 DS11.1@4279.53,3100
NetDS12_1: DS12.1 R31.2 | length 201.4
  Top Layer w6: DS12.1@4878.54,3100.98 DS12.1@4879.53,3100 R31.2@4878.54,3300
NetDS13_1: DS13.1 R32.2 | length 200.4
  Top Layer w6: R32.2@5478.54,3300 5478.54,3100.98 DS13.1@5479.53,3100
NetDS14_1: DS14.1 R34.2 | length 201.4
  Top Layer w6: DS14.1@6078.54,3100 DS14.1@6078.54,3100.98 ; R34.2@6078.54,3300 DS14.1@6078.54,3100.98 ; DS14.1@6079.53,3100 DS14.1@6078.54,3100.98
NetDS15_1: DS15.1 R35.2 | length 201.4
  Top Layer w6: DS15.1@6678.54,3100 DS15.1@6678.54,3100.98 ; R35.2@6678.54,3300 DS15.1@6678.54,3100.98 ; DS15.1@6679.53,3100 DS15.1@6678.54,3100.98
NetDS16_1: DS16.1 R36.2 | length 201.4
  Top Layer w6: DS16.1@7278.54,3100.98 DS16.1@7279.53,3100 R36.2@7278.54,3300
NetDS17_1: DS17.1 R37.2 | length 201.4
  Top Layer w6: DS17.1@7878.54,3100.98 DS17.1@7879.53,3100 R37.2@7878.54,3300
NetDS18_1: DS18.1 R38.2 | length 201.4
  Top Layer w6: DS18.1@8478.54,3100 DS18.1@8478.54,3100.98 ; R38.2@8478.54,3300 DS18.1@8478.54,3100.98 ; DS18.1@8479.53,3100 DS18.1@8478.54,3100.98
NetDS19_1: DS19.1 R39.2 | length 201.4
  Top Layer w6: DS19.1@9078.54,3100 DS19.1@9078.54,3100.98 ; R39.2@9078.54,3300 DS19.1@9078.54,3100.98 ; DS19.1@9079.53,3100 DS19.1@9078.54,3100.98
NetDS20_1: DS20.1 R40.2 | length 201.4
  Top Layer w6: DS20.1@9678.54,3100.98 DS20.1@9679.53,3100 R40.2@9678.54,3300
NetDS21_1: DS21.1 R41.2 | length 240.4
  Top Layer w6: R41.2@10278.54,3340 10279.53,3339.02 DS21.1@10279.53,3100
NetDS22_1: DS22.1 R42.2 | length 200.4
  Top Layer w6: R42.2@7028.54,1830 7029.53,1829.02 DS22.1@7029.53,1630
NetP1_36: P1.36 P1.38 R3.1 | length 140.4
  Top Layer w40: P1.36@299.74,1781.96 P1.38@299.74,1860.7 302.04,1863 R3.1@360.43,1863
NetP2_1: P2.1 R66.2 | length 103.4
  Top Layer w30: P2.1@670,2180 R66.2@773.43,2180
NetP2_2: P2.2 P2.4 R2.1 | length 192.4
  Top Layer w30: R2.1@477.57,2180 P2.2@570,2180 P2.4@570,2080
NetQ1_1: Q1.1 R63.2 | length 79.7
  Top Layer w8: R63.2@3720,228.43 3792.64,228.43 Q1.1@3797.6,233.39
NetQ1_3: Q1.3 R61.2 R62.2 U3.2 U3.3 | length 515.2
  Top Layer w8: R62.2@3720,398.15 3723.15,395 3767.87,395 3835,327.87 3892.13,385 v4(3995,385) 3997.5,387.5 3997.5,453.72 U3.3@4000,456.22 U3.2@4050,456.22
  Bottom Layer w8: v4(3995,385) 4005,395 R61.2@4005,445
NetR1_2: R1.2 U1.10 | length 101.2
  Top Layer w8: U1.10@3373.84,1092.23 3376,1090.07 3376,1077 3397,1056 3407,1056 3411.69,1051.31 3411.69,1020.86 R1.2@3417.54,1015
NetR8_2: R8.2 U8.27 | length 114.3
  Top Layer w10: v1(5235,1760) 5243.39,1751.61 U8.27@5243.39,1695
  Bottom Layer w10: R8.2@5232.91,1715 5235,1717.09 v1(5235,1760)
NetR64_1: R64.1 U3.6 | length 337.2
  Top Layer w8: U3.6@4000,233.78 4000,190 4015,175 4145,175 4195,225 R64.1@4195,296.46
NetR67_1: R67.1 U3.7 | length 184.9
  Top Layer w8: U3.7@4050,233.78 4050,375 4051.86,376.86 v4(4051.86,377.33)
  Bottom Layer w8: v4(4051.86,377.33) 4089.13,377.33 R67.1@4091.46,375
NetTP1_1: TP1.1 U4.33 | length 251
  Top Layer w6: v1@4292,1826 4354,1888 4386,1888 4392,1894 4392,1930 4388.12,1933.88 4388.12,1979.59 U4.33@4387.01,1980.7
  Bottom Layer w6: TP1.1@4258,1826 v1@4292.03,1825.97
  other v1: 4292.05,1825.95
NetTP2_1: TP2.1 U4.35 | length 161.4
  Top Layer w6: v1@4292,1878 4346.53,1932.53 4346.53,1979.59 U4.35@4347.64,1980.7
  Bottom Layer w6: TP2.1@4258,1874 4259.97,1875.97 4290.08,1875.97 v1(4292.05,1877.95)
NetTP3_1: TP3.1 U8.32 | length 203.8
  Top Layer w10: U8.32@5204.02,1982.4 5204.36,1982.06 5204.36,1938.62 5209,1933.98 5209,1915 5233,1891 v1(5233,1878)
  Bottom Layer w8: TP3.1@5220,1960 5220,1896.41 5233,1883.41 v1(5233,1878)
NetTP4_1: TP4.1 U8.33 | length 214.3
  Top Layer w10: U8.33@5184.33,1982.4 5184.68,1982.06 5184.68,1935.68 5193,1927.36 v1(5193,1890)
  Bottom Layer w8: TP4.1@5185,2005 5185,1952.24 5193,1944.24 v1(5193,1890)
NetTP5_1: TP5.1 U8.35 | length 128.3
  Top Layer w10: v1(5121,1918) 5144.61,1941.61 5144.61,1982.06 U8.35@5144.96,1982.4
  Bottom Layer w8: v1(5121,1918) 5139.38,1936.38 5139.38,1944.62 5150,1955.24 TP5.1@5150,1960
NetTP6_1: TP6.1 U8.49 | length 115
  Top Layer w10: U8.49@4869.37,1982.4 4869.72,1982.06 4869.72,1942.4 4887.67,1924.44 4892.56,1924.44 v1(4896,1921)
  Bottom Layer w10: v1(4896,1921) 4898,1923 4898,1957 TP6.1@4900,1959
NetTP7_1: TP7.1 U8.50 | length 147.2
  Top Layer w10: U8.50@4849.69,1982.4 4850.03,1982.06 4850.03,1922.97 v1(4852,1921)
  Bottom Layer w10: TP7.1@4850,2005 4850.5,2004.5 4850.5,1922.5 v1(4852,1921)
NetTP8_1: TP8.1 U8.52 | length 145
  Top Layer w10: v1(4791,1907) 4810.66,1926.66 4810.66,1982.06 U8.52@4810.31,1982.4
  Bottom Layer w10: v1(4791,1907) 4791,1940 TP8.1@4811,1960
OUT1: J1.1 U5.11 | length 235.6
  Top Layer w20: U5.11@4290,950 4290.83,949.17 4290.83,904.17 4393.42,801.58 4393.42,766.58 J1.1@4400,760
OUT2: J1.3 U5.12 | length 310.6
  Top Layer w20: U5.12@4340,950 4340,905 4450,795 J1.3@4450,685
OUT3: J1.5 U5.13 | length 235.6
  Top Layer w20: U5.13@4390,950 4390,900 4495,795 4495,765 J1.5@4500,760
OUT4: J1.7 U5.14 | length 310.6
  Top Layer w20: U5.14@4440,950 4440,900 4550,790 J1.7@4550,685